# Altium PCB UmTRXv2.PcbDoc (part 5 of 25)
Units mm, origin at the board's own origin, x right, y up, seen from the top; angles counter-clockwise.
Board outline 159.5 x 99.5 mm, 6 copper layers (Top Layer, GND, MidLayer1, Mid-Layer 2, InternalPlane2, Bottom Layer), stack 1.526 mm thick; 708 components, 578 nets, 2802 pads, 1408 vias.
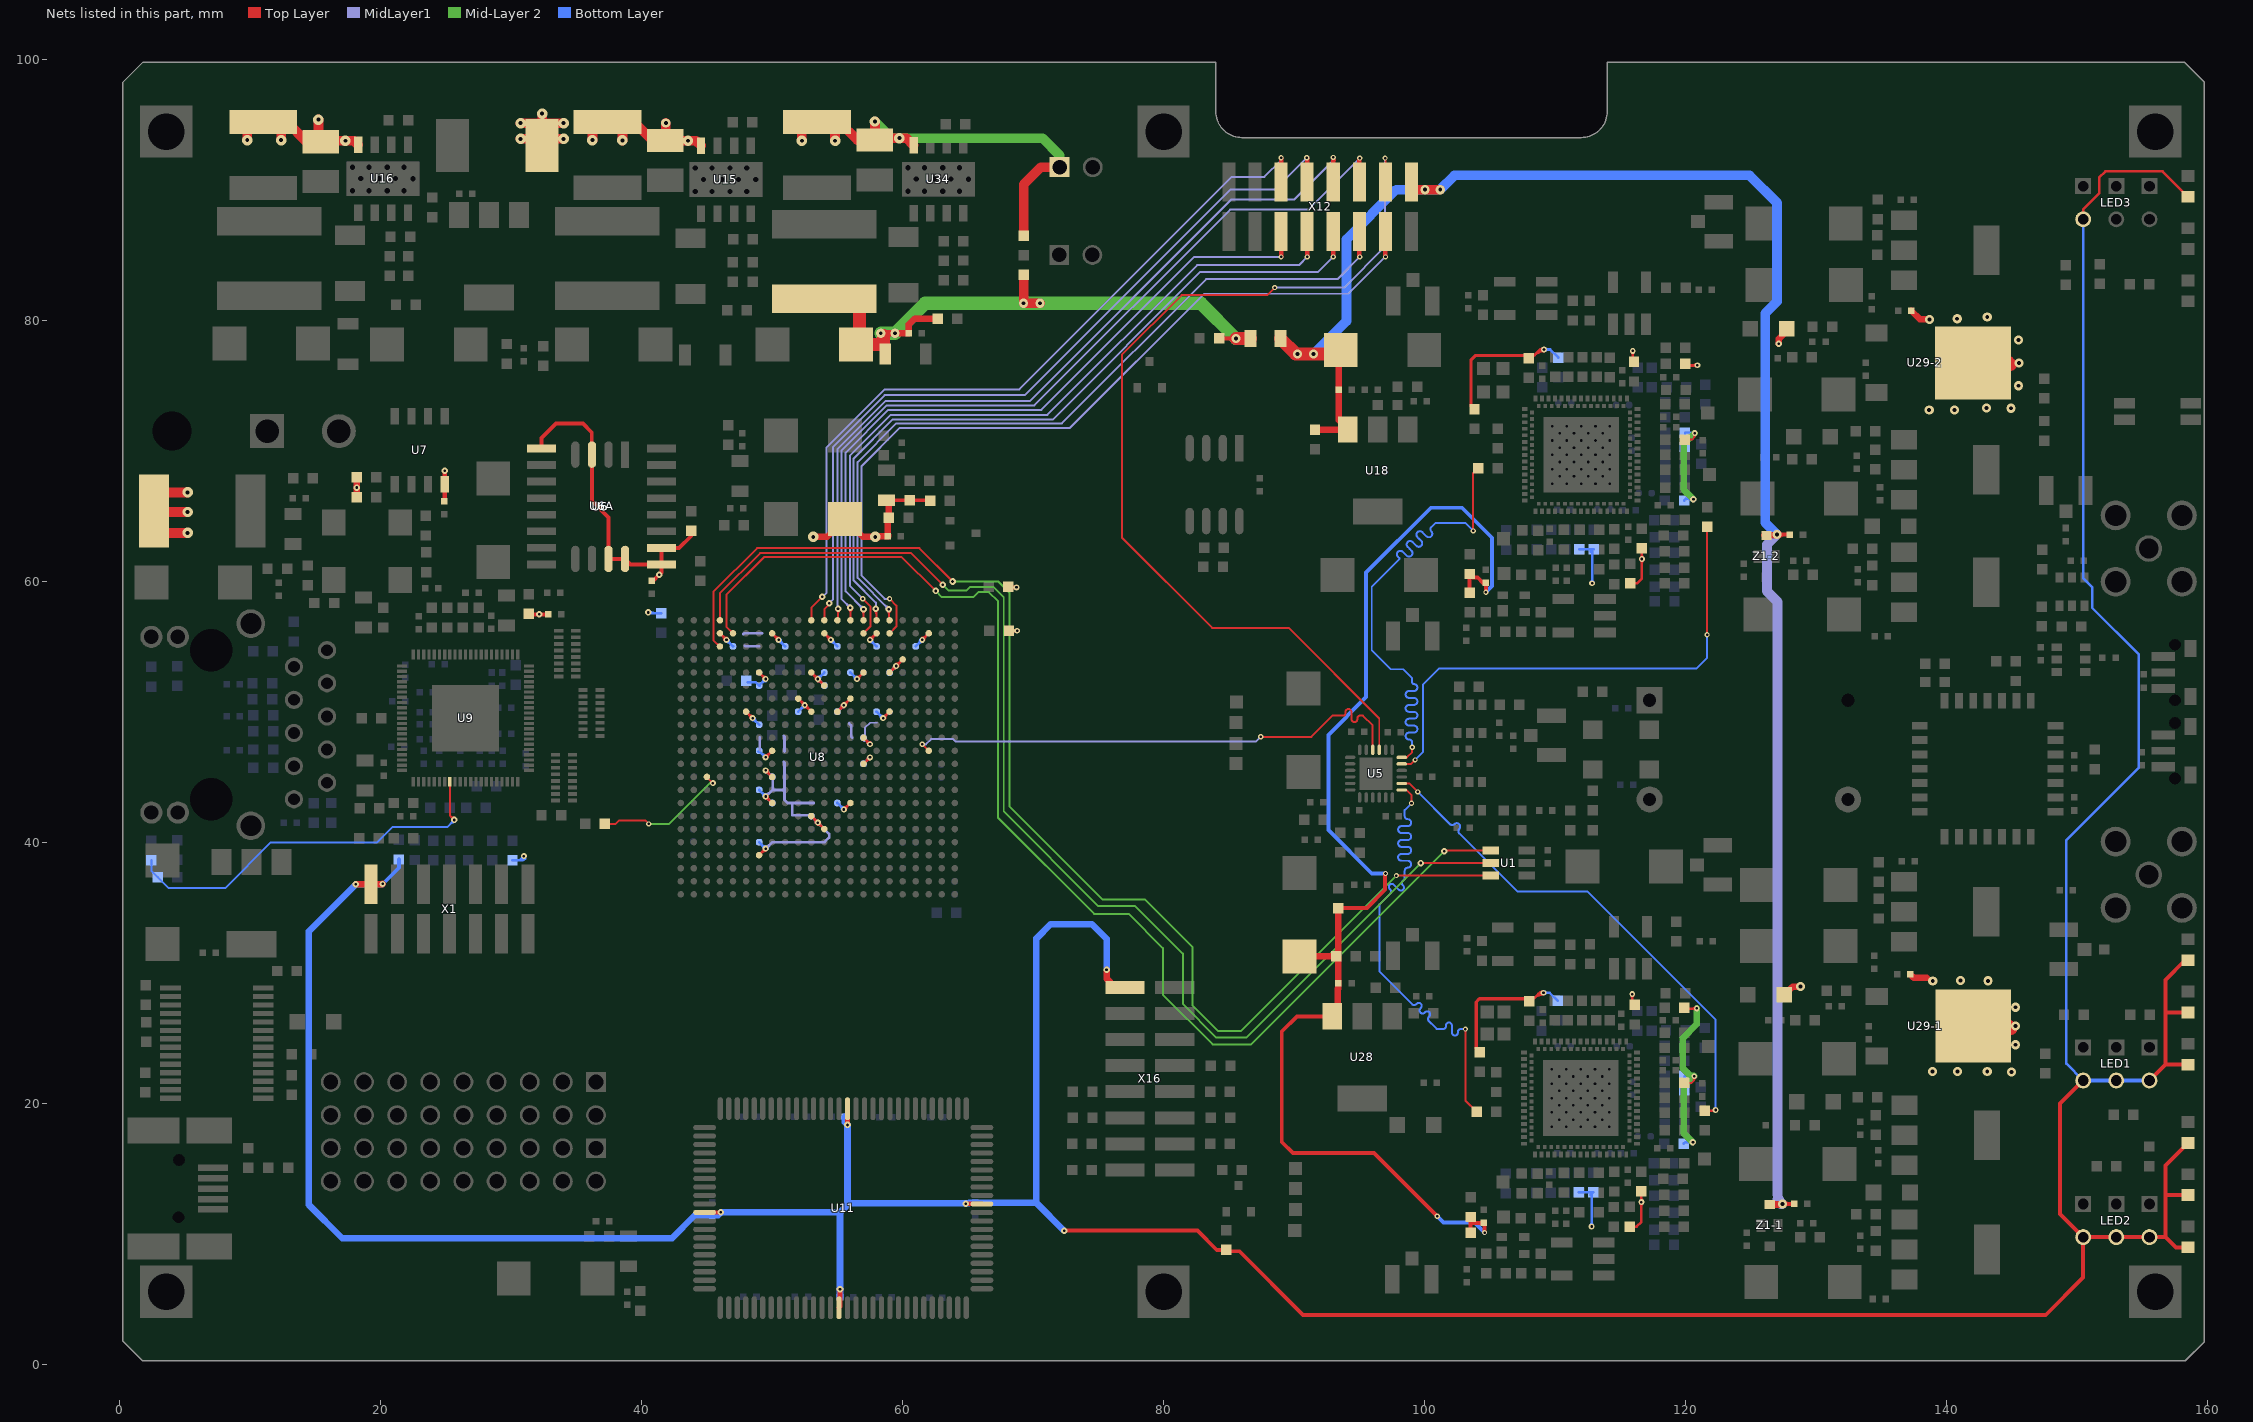
[diagram p9: the nets of this part, all layers, seen from the top]

## Via types
v1: diameter 0.5, hole 0.2, Top Layer to Bottom Layer, tented both sides, 441 vias
v2: diameter 0.45, hole 0.2, Top Layer to Bottom Layer, tented both sides, 429 vias
v3: diameter 0.7, hole 0.3, Top Layer to Bottom Layer, tented both sides, 258 vias
v4: diameter 0.4, hole 0.2, Top Layer to Bottom Layer, tented both sides, 197 vias
v5: diameter 0.8, hole 0.3, Top Layer to Bottom Layer, tented both sides, 61 vias
v6: diameter 0.6, hole 0.25, Top Layer to Bottom Layer, tented both sides, 16 vias
v7: diameter 0.6, hole 0.3, Top Layer to Bottom Layer, tented both sides, 4 vias
v8: diameter 1, hole 0.5, Top Layer to Bottom Layer, tented both sides, 2 vias

## Nets (pads, with @x,y where several pads share a name; then routed paths per layer and width w, separated by ;. In a path a pad name is that pad's centre, name@x,y a point inside that pad or via, vN(x,y) a via of type N, cw(c..) or ccw(c..) an arc to the next point about the centre after c; other vN are vias at no path point) (continued)
+3,3VFPGA: C25.1 C27.2 C42.1 C159.1 C161.1 C165.1 C174.2 C194.2 C196.2 C197.2 C198.2 C199.2 C200.2 C201.2 C202.2 C203.2 C223.2 C224.2 C225.2 C227.2 C246.1 C247.1 C248.1 C249.1 C250.1 C251.1 C252.1 C254.1 C255.1 C256.1 C257.1 C258.1 C259.1 L5.2 L40.2 LED1.4 LED1.5 LED1.6 LED1A'.2 LED1B'.2 LED1C'.2 LED2.4 LED2.5 LED2.6 LED2A'.2 LED2B'.2 LED2C'.2 LED3.4 LED3C'.2 R18.1 R19.1 R21.1 R22.1 R26.1 R27.1 R28.1 R29.1 R30.1 R31.2 R94.1 R152.1 U6.3 U6.7 U6.8 U6A.1 U6A.2 U6A.9 U7.8 U8.AA3 U8.AA7 U8.AA11 U8.AA15 U8.AA19 U8.D16 U8.F11 U8.G12 U8.H9 U8.H15 U8.K15 U8.L8 U8.M15 U8.N8 U8.R6 U8.R10 U8.R12 U8.R17 U8.T9 U8.T13 U8.U11 U8.V6 U8.V8 U8.V12 U8.V16 U8.W5 U11.15 U11.41 U11.65 U11.91 X1.2 X16.16 | length 560
  Top Layer w0.2: U8.AA19@46,56 v2(46.5,55.5) ; v2@46.35,55.5 ccw(c45.988,55.5) 46.244,55.756 ccw(c46.5,56.012) v2@46.5,55.65 ; U8.R17@48,50 v2(48.5,49.5) ; v2@48.35,49.5 ccw(c47.988,49.5) 48.244,49.756 ccw(c48.5,50.012) v2@48.5,49.65 ; U8.D16@49,39 v2(49.5,39.5) ; U8.V16@49,53 v2(49.5,52.5) ; v2@49.35,39.5 cw(c48.988,39.5) 49.244,39.244 cw(c49.5,38.988) v2@49.5,39.35 ; v2@49.35,52.5 ccw(c48.988,52.5) 49.244,52.756 ccw(c49.5,53.012) v2@49.5,52.65 ; v2@49.5,43.35 cw(c49.5,42.988) 49.756,43.244 cw(c50.012,43.5) v2@49.65,43.5 ; v2(49.5,43.5) U8.H15@50,43 ; v2@49.5,45.35 cw(c49.5,44.988) 49.756,45.244 cw(c50.012,45.5) v2@49.65,45.5 ; v2(49.5,45.5) U8.K15@50,45 ; v2(49.5,46.5) U8.M15@50,47 ; v2@49.5,46.65 ccw(c49.5,47.012) 49.756,46.756 ccw(c50.012,46.5) v2@49.65,46.5 ; U8.AA15@50,56 v2(50.5,55.5) ; v2@50.35,55.5 ccw(c49.988,55.5) 50.244,55.756 ccw(c50.5,56.012) v2@50.5,55.65 ; U8.T13@52,51 v2(52.5,50.5) ; v2@52.35,50.5 ccw(c51.988,50.5) 52.244,50.756 ccw(c52.5,51.012) v2@52.5,50.65 ; v2@52.5,50.35 cw(c52.5,49.988) 52.756,50.244 cw(c53.012,50.5) v2@52.65,50.5 ; v2(52.5,50.5) U8.R12@53,50 ; U8.G12@53,42 v2(53.5,41.5) U8.F11@54,41 ; U8.V12@53,53 v2(53.5,52.5) U8.U11@54,52 ; v2@53.35,41.5 ccw(c52.988,41.5) 53.244,41.756 ccw(c53.5,42.012) v2@53.5,41.65 ; v2@53.35,52.5 ccw(c52.988,52.5) 53.244,52.756 ccw(c53.5,53.012) v2@53.5,52.65 ; v2@53.5,41.35 cw(c53.5,40.988) 53.756,41.244 cw(c54.012,41.5) v2@53.65,41.5 ; v2@53.5,52.35 cw(c53.5,51.988) 53.756,52.244 cw(c54.012,52.5) v2@53.65,52.5 ; U8.AA11@54,56 v2(54.5,55.5) ; v2@54.35,55.5 ccw(c53.988,55.5) 54.244,55.756 ccw(c54.5,56.012) v2@54.5,55.65 ; U8.R10@55,50 v2(55.5,50.5) U8.T9@56,51 ; v2@55.35,50.5 cw(c54.988,50.5) 55.244,50.244 cw(c55.5,49.988) v2@55.5,50.35 ; v2(55.5,42.5) U8.H9@56,43 ; v2@55.5,42.65 ccw(c55.5,43.012) 55.756,42.756 ccw(c56.012,42.5) v2@55.65,42.5 ; v2@55.5,50.65 ccw(c55.5,51.012) 55.756,50.756 ccw(c56.012,50.5) v2@55.65,50.5 ; v2(56.5,52.5) U8.V8@57,53 ; v2@56.5,52.65 ccw(c56.5,53.012) 56.756,52.756 ccw(c57.012,52.5) v2@56.65,52.5 ; U8.L8@57,46 v2(57.5,46.5) ; U8.N8@57,48 v2(57.5,47.5) ; v2@57.35,46.5 cw(c56.988,46.5) 57.244,46.244 cw(c57.5,45.988) v2@57.5,46.35 ; v2@57.35,47.5 ccw(c56.988,47.5) 57.244,47.756 ccw(c57.5,48.012) v2@57.5,47.65 ; v2(57.5,55.5) U8.AA7@58,56 ; v2@57.5,55.65 ccw(c57.5,56.012) 57.756,55.756 ccw(c58.012,55.5) v2@57.65,55.5 ; v2(58.5,49.5) U8.R6@59,50 ; v2@58.5,49.65 ccw(c58.5,50.012) 58.756,49.756 ccw(c59.012,49.5) v2@58.65,49.5 ; U8.V6@59,53 v2(59.5,53.5) U8.W5@60,54 ; v2@59.35,53.5 cw(c58.988,53.5) 59.244,53.244 cw(c59.5,52.988) v2@59.5,53.35 ; v2@59.5,53.65 ccw(c59.5,54.012) 59.756,53.756 ccw(c60.012,53.5) v2@59.65,53.5 ; v2(61.5,55.5) U8.AA3@62,56 ; v2@61.5,55.65 ccw(c61.5,56.012) 61.756,55.756 ccw(c62.012,55.5) v2@61.65,55.5 ; LED3.4@150.425,87.685 LED3.4@150.47,87.73 150.47,88.495 151.7,89.725 151.7,90.925 152.175,91.4 156.55,91.4 LED3C'.2@158.5,89.45 ; 46.287,55.713 cw(c46.073,55.5) 46.375,55.5 ccw(c46.073,55.5) 46.287,55.713 ; 46.287,55.713 ccw(c46.5,55.927) 46.5,55.625 cw(c46.5,55.927) 46.287,55.713 ; 48.287,49.713 cw(c48.073,49.5) 48.375,49.5 ccw(c48.073,49.5) 48.287,49.713 ; 48.287,49.713 ccw(c48.5,49.927) 48.5,49.625 cw(c48.5,49.927) 48.287,49.713 ; 49.287,39.287 cw(c49.5,39.073) 49.5,39.375 ccw(c49.5,39.073) 49.287,39.287 ; 49.287,39.287 ccw(c49.073,39.5) 49.375,39.5 cw(c49.073,39.5) 49.287,39.287 ; 49.287,52.713 cw(c49.073,52.5) 49.375,52.5 ccw(c49.073,52.5) 49.287,52.713 ; 49.287,52.713 ccw(c49.5,52.927) 49.5,52.625 cw(c49.5,52.927) 49.287,52.713 ; 49.713,43.287 cw(c49.927,43.5) 49.625,43.5 ccw(c49.927,43.5) 49.713,43.287 ; 49.713,43.287 ccw(c49.5,43.073) 49.5,43.375 cw(c49.5,43.073) 49.713,43.287 ; 49.713,45.287 cw(c49.927,45.5) 49.625,45.5 ccw(c49.927,45.5) 49.713,45.287 ; 49.713,45.287 ccw(c49.5,45.073) 49.5,45.375 cw(c49.5,45.073) 49.713,45.287 ; 49.713,46.713 cw(c49.5,46.927) 49.5,46.625 ccw(c49.5,46.927) 49.713,46.713 ; 49.713,46.713 ccw(c49.927,46.5) 49.625,46.5 cw(c49.927,46.5) 49.713,46.713 ; 50.287,55.713 cw(c50.073,55.5) 50.375,55.5 ccw(c50.073,55.5) 50.287,55.713 ; 50.287,55.713 ccw(c50.5,55.927) 50.5,55.625 cw(c50.5,55.927) 50.287,55.713 ; 52.287,50.713 cw(c52.073,50.5) 52.375,50.5 ccw(c52.073,50.5) 52.287,50.713 ; 52.287,50.713 ccw(c52.5,50.927) 52.5,50.625 cw(c52.5,50.927) 52.287,50.713 ; 52.713,50.287 cw(c52.927,50.5) 52.625,50.5 ccw(c52.927,50.5) 52.713,50.287 ; 52.713,50.287 ccw(c52.5,50.073) 52.5,50.375 cw(c52.5,50.073) 52.713,50.287 ; 53.287,41.713 cw(c53.073,41.5) 53.375,41.5 ccw(c53.073,41.5) 53.287,41.713 ; 53.287,41.713 ccw(c53.5,41.927) 53.5,41.625 cw(c53.5,41.927) 53.287,41.713 ; 53.287,52.713 cw(c53.073,52.5) 53.375,52.5 ccw(c53.073,52.5) 53.287,52.713 ; 53.287,52.713 ccw(c53.5,52.927) 53.5,52.625 cw(c53.5,52.927) 53.287,52.713 ; 53.713,41.287 cw(c53.927,41.5) 53.625,41.5 ccw(c53.927,41.5) 53.713,41.287 ; 53.713,41.287 ccw(c53.5,41.073) 53.5,41.375 cw(c53.5,41.073) 53.713,41.287 ; 53.713,52.287 cw(c53.927,52.5) 53.625,52.5 ccw(c53.927,52.5) 53.713,52.287 ; 53.713,52.287 ccw(c53.5,52.073) 53.5,52.375 cw(c53.5,52.073) 53.713,52.287 ; 54.287,55.713 cw(c54.073,55.5) 54.375,55.5 ccw(c54.073,55.5) 54.287,55.713 ; 54.287,55.713 ccw(c54.5,55.927) 54.5,55.625 cw(c54.5,55.927) 54.287,55.713 ; 55.287,50.287 cw(c55.5,50.073) 55.5,50.375 ccw(c55.5,50.073) 55.287,50.287 ; 55.287,50.287 ccw(c55.073,50.5) 55.375,50.5 cw(c55.073,50.5) 55.287,50.287 ; 55.713,42.713 cw(c55.5,42.927) 55.5,42.625 ccw(c55.5,42.927) 55.713,42.713 ; 55.713,42.713 ccw(c55.927,42.5) 55.625,42.5 cw(c55.927,42.5) 55.713,42.713 ; 55.713,50.713 cw(c55.5,50.927) 55.5,50.625 ccw(c55.5,50.927) 55.713,50.713 ; 55.713,50.713 ccw(c55.927,50.5) 55.625,50.5 cw(c55.927,50.5) 55.713,50.713 ; 56.713,52.713 cw(c56.5,52.927) 56.5,52.625 ccw(c56.5,52.927) 56.713,52.713 ; 56.713,52.713 ccw(c56.927,52.5) 56.625,52.5 cw(c56.927,52.5) 56.713,52.713 ; 57.287,46.287 cw(c57.5,46.073) 57.5,46.375 ccw(c57.5,46.073) 57.287,46.287 ; 57.287,46.287 ccw(c57.073,46.5) 57.375,46.5 cw(c57.073,46.5) 57.287,46.287 ; 57.287,47.713 cw(c57.073,47.5) 57.375,47.5 ccw(c57.073,47.5) 57.287,47.713 ; 57.287,47.713 ccw(c57.5,47.927) 57.5,47.625 cw(c57.5,47.927) 57.287,47.713 ; 57.713,55.713 cw(c57.5,55.927) 57.5,55.625 ccw(c57.5,55.927) 57.713,55.713 ; 57.713,55.713 ccw(c57.927,55.5) 57.625,55.5 cw(c57.927,55.5) 57.713,55.713 ; 58.713,49.713 cw(c58.5,49.927) 58.5,49.625 ccw(c58.5,49.927) 58.713,49.713 ; 58.713,49.713 ccw(c58.927,49.5) 58.625,49.5 cw(c58.927,49.5) 58.713,49.713 ; 59.287,53.287 cw(c59.5,53.073) 59.5,53.375 ccw(c59.5,53.073) 59.287,53.287 ; 59.287,53.287 ccw(c59.073,53.5) 59.375,53.5 cw(c59.073,53.5) 59.287,53.287 ; 59.713,53.713 cw(c59.5,53.927) 59.5,53.625 ccw(c59.5,53.927) 59.713,53.713 ; 59.713,53.713 ccw(c59.927,53.5) 59.625,53.5 cw(c59.927,53.5) 59.713,53.713 ; 61.713,55.713 cw(c61.5,55.927) 61.5,55.625 ccw(c61.5,55.927) 61.713,55.713 ; 61.713,55.713 ccw(c61.927,55.5) 61.625,55.5 cw(c61.927,55.5) 61.713,55.713
  Top Layer w0.3: L5.2@31.35,57.5 31.4,57.45 v1(32.15,57.45) C42.1@32.85,57.45 ; U6A.9@32.325,70.17 32.325,70.975 33.425,72.075 35.5,72.075 36.175,71.4 U6.3@36.175,69.7 ; U6.3@36.19,69.7 36.19,66.19 36.175,66.175 37.46,64.89 U6.7@37.46,61.7 U6.8@38.73,61.7 39.15,61.28 U6A.1@41.525,61.28 ; C25.1@40.9,60.05 v1(41.35,60.5) 41.525,60.675 U6A.1@41.525,61.28 ; R152.1@43.8,63.85 43.8,63.475 42.875,62.55 U6A.2@41.525,62.55 U6A.1@41.525,61.28 ; U11.41@44.825,11.625 v1(46.075,11.625) ; L40.2@58.75,66.2 R29.1@60.55,66.2 62.05,66.2 R30.1@62.1,66.15 ; R94.1@68.1,59.575 68.15,59.525 v2(68.725,59.525) ; R22.1@68.15,56.2 v2(68.775,56.2) ; v1(72.375,10.225) 82.6,10.225 84.075,8.75 R28.1@84.8,8.75 ; R28.1@84.75,8.65 85.8,8.65 90.675,3.775 147.6,3.775 150.45,6.625 150.45,9.75 148.7,11.5 148.7,19.96 LED1.4@150.47,21.73 ; LED2.4@150.47,9.73 LED2.5@153.01,9.73 LED2.6@155.55,9.73 156.775,9.73 ; LED1.6@155.55,21.73 156.77,22.95 156.775,22.95 ; LED1B'.2@158.5,12.95 156.8,12.95 156.775,12.975 ; LED1C'.2@158.5,16.7 LED1C'.2@158.55,16.65 ; LED1C'.2@158.5,16.95 156.775,15.225 156.775,12.975 ; LED2A'.2@158.5,22.95 156.775,22.95 ; LED2B'.2@158.5,26.95 156.775,26.95 ; LED2C'.2@158.5,30.95 158.275,30.95 156.775,29.45 156.775,26.95 ; LED1A'.2@158.8,8.925 157.58,8.925 156.775,9.73 ; 156.775,9.73 156.775,12.975 ; 156.775,22.95 156.775,26.95
  Top Layer w0.35: C27.2@24.875,66.125 24.897,66.147 U7.8@24.897,67.428 v1(24.897,68.472) ; U11.65@55.125,4.325 55.2,4.4 v1(55.2,5.75) ; v1(55.775,18.325) U11.15@55.775,19.575 ; v1(64.825,12.275) U11.91@66.075,12.275
  Top Layer w0.5: v1(18.1,36.775) X1.2@19.275,36.775 20.125,36.775 v2(20.15,36.8) ; R27.1@18.15,66.425 18.15,67.15 v1(18.175,67.175) R26.1@18.175,67.95 ; v5(53.15,63.4) 54.225,63.4 C165.1@55.575,64.75 ; C165.1@55.675,64.675 56.95,63.4 v5(57.9,63.4) ; v5@57.9,63.445 C159.1@58.85,63.45 ; L40.2@58.75,66.2 58.95,66 C161.1@58.95,64.85 ; C161.1@58.842,64.95 58.843,64.849 C159.1@58.85,63.45 ; C159.1@58.9,63.45 C159.1@58.85,63.45 ; C159.1@58.9,63.5 C159.1@58.85,63.45 ; v1(75.625,30.225) 75.625,29.55 76.3,28.875 X16.16@77.05,28.875 ; v5@58.007,63.295 cw(c58.372,62.933) 58.37,63.447 ; v5@58.007,63.295 cw(c58.372,62.933) 58.37,63.447 ; v5@58.007,63.295 cw(c58.372,62.933) 58.37,63.447
  MidLayer1 w0.15: 57.05,47.75 57.1,47.8 57.1,48.75 57.5,49.15 58.05,49.15
  MidLayer1 w0.2: 47.8,55.95 47.85,56 49.25,56 ; 47.9,55.05 47.95,55 49,55 ; 49.05,47.05 49.05,48.05 ; v2(49.5,39.5) 49.524,39.5 50.024,40 54.025,40 54.375,40.35 54.375,40.625 v2(53.5,41.5) ; v2@49.5,39.65 ccw(c49.5,40.012) 49.756,39.756 ccw(c50.012,39.5) v2@49.65,39.5 ; v2(49.5,43.5) 50.05,44.05 ; v2@49.5,43.65 ccw(c49.5,44.012) 49.756,43.756 ccw(c50.012,43.5) v2@49.65,43.5 ; v2@49.5,45.35 cw(c49.5,44.988) 49.756,45.244 cw(c50.012,45.5) v2@49.65,45.5 ; v2(49.5,45.5) 50.05,44.95 50.05,44.05 ; 50.9,46.15 50.95,46.1 50.95,44 ; 50.9,48.15 50.95,48.1 50.95,46.95 ; 53.15,41.95 53.039,42.061 51.539,42.061 51.539,43 ; 53.2,43 51.539,43 ; 55.9,49.1 56.05,48.95 56.05,48.1 56.15,48 ; 49.713,43.713 cw(c49.5,43.927) 49.5,43.625 ccw(c49.5,43.927) 49.713,43.713 ; 49.713,43.713 ccw(c49.927,43.5) 49.625,43.5 cw(c49.927,43.5) 49.713,43.713 ; 49.713,45.287 cw(c49.927,45.5) 49.625,45.5 ccw(c49.927,45.5) 49.713,45.287 ; 49.713,45.287 ccw(c49.5,45.073) 49.5,45.375 cw(c49.5,45.073) 49.713,45.287 ; 50.05,44.05 50.1,44 50.95,44 ; 50.95,44 50.95,43.241 51.191,43 51.539,43 ; 53.713,41.287 cw(c53.927,41.5) 53.625,41.5 ccw(c53.927,41.5) 53.713,41.287 ; 53.713,41.287 ccw(c53.5,41.073) 53.5,41.375 cw(c53.5,41.073) 53.713,41.287 ; v2@49.5,39.625 ccw(c49.5,39.985) 49.755,39.731 cw(c49.5,39.985) v2@49.5,39.625 ; v2@49.625,39.5 cw(c49.868,39.5) 49.696,39.672 ccw(c49.868,39.5) v2@49.625,39.5
  Bottom Layer w0.2: R19.1@30.1,38.6 30.65,38.6 v2(30.975,38.925) ; v1(40.5,57.6) 40.6,57.6 40.65,57.55 R31.2@41.5,57.55 ; v2@46.5,55.35 cw(c46.5,54.988) 46.756,55.244 cw(c47.012,55.5) v2@46.65,55.5 ; v2(46.5,55.5) C251.1@47,55 ; R21.1@48.15,52.25 48.75,52.25 C199.2@49,52 ; v2@48.5,49.35 cw(c48.5,48.988) 48.756,49.244 cw(c49.012,49.5) v2@48.65,49.5 ; v2(48.5,49.5) C174.2@49,49 ; C249.1@48.95,46.95 C249.1@49,47 v2(49.5,46.5) ; C194.2@49,40 v2(49.5,39.5) ; C250.1@49,44 v2(49.5,43.5) C248.1@50,43 ; v2@49.35,39.5 ccw(c48.988,39.5) 49.244,39.756 ccw(c49.5,40.012) v2@49.5,39.65 ; v2@49.35,43.5 ccw(c48.988,43.5) 49.244,43.756 ccw(c49.5,44.012) v2@49.5,43.65 ; v2@49.35,46.5 ccw(c48.988,46.5) 49.244,46.756 ccw(c49.5,47.012) v2@49.5,46.65 ; v2@49.35,52.5 cw(c48.988,52.5) 49.244,52.244 cw(c49.5,51.988) v2@49.5,52.35 ; v2@49.5,43.35 cw(c49.5,42.988) 49.756,43.244 cw(c50.012,43.5) v2@49.65,43.5 ; v2@49.5,45.35 cw(c49.5,44.988) 49.756,45.244 cw(c50.012,45.5) v2@49.65,45.5 ; v2(49.5,45.5) C197.2@50,45 ; v2(49.5,52.5) C199.2@49,52 ; v2@50.5,55.35 cw(c50.5,54.988) 50.756,55.244 cw(c51.012,55.5) v2@50.65,55.5 ; v2(50.5,55.5) C201.2@51,55 ; C257.1@52,50 v2(52.5,50.5) ; v2@52.35,50.5 cw(c51.988,50.5) 52.244,50.244 cw(c52.5,49.988) v2@52.5,50.35 ; C246.1@53,42 v2(53.5,41.5) ; v2@53.35,41.5 ccw(c52.988,41.5) 53.244,41.756 ccw(c53.5,42.012) v2@53.5,41.65 ; v2@53.5,52.35 cw(c53.5,51.988) 53.756,52.244 cw(c54.012,52.5) 53.65,52.5 cw(c54.012,52.5) 53.756,52.756 cw(c53.5,53.012) v2@53.5,52.65 ; C203.2@54,52 v2(53.5,52.5) C247.1@54,53 ; v2@54.5,55.35 cw(c54.5,54.988) 54.756,55.244 cw(c55.012,55.5) v2@54.65,55.5 ; v2(54.5,55.5) C252.1@55,55 ; C196.2@55,43 v2(55.5,42.5) ; C258.1@55,50 v2(55.5,50.5) ; v2@55.35,42.5 ccw(c54.988,42.5) 55.244,42.756 ccw(c55.5,43.012) v2@55.5,42.65 ; v2@55.35,50.5 cw(c54.988,50.5) 55.244,50.244 cw(c55.5,49.988) v2@55.5,50.35 ; C256.1@56,53 v2(56.5,52.5) ; v2@56.35,52.5 ccw(c55.988,52.5) 56.244,52.756 ccw(c56.5,53.012) v2@56.5,52.65 ; C200.2@57,46 v2(57.5,46.5) ; C255.1@57,48 v2(57.5,47.5) ; v2@57.35,46.5 cw(c56.988,46.5) 57.244,46.244 cw(c57.5,45.988) v2@57.5,46.35 ; v2@57.35,47.5 ccw(c56.988,47.5) 57.244,47.756 ccw(c57.5,48.012) v2@57.5,47.65 ; v2@57.5,55.35 cw(c57.5,54.988) 57.756,55.244 cw(c58.012,55.5) v2@57.65,55.5 ; v2(57.5,55.5) C202.2@58,55 ; C259.1@58,50 v2(58.5,49.5) ; v2@58.35,49.5 ccw(c57.988,49.5) 58.244,49.756 ccw(c58.5,50.012) v2@58.5,49.65 ; C198.2@59,53 v2(59.5,53.5) ; v2@59.35,53.5 cw(c58.988,53.5) 59.244,53.244 cw(c59.5,52.988) v2@59.5,53.35 ; C254.1@61,55 v2(61.5,55.5) ; v2@61.35,55.5 cw(c60.988,55.5) 61.244,55.244 cw(c61.5,54.988) v2@61.5,55.35 ; LED1.4@150.47,21.73 149.175,23.025 149.175,40.15 154.725,45.7 154.725,54.4 151.162,57.963 151.162,59.538 150.47,60.23 LED3.4@150.47,87.73 ; 30.728,38.6 ccw(c30.728,39.072) v2@31.062,38.738 ; 30.728,38.6 ccw(c30.728,39.072) v2@31.062,38.738 ; 30.728,38.6 ccw(c30.728,39.072) v2@31.062,38.738 ; v1@40.606,57.706 ccw(c40.983,58.083) 40.983,57.55 ; v1@40.606,57.706 ccw(c40.983,58.083) 40.983,57.55 ; v1@40.606,57.706 ccw(c40.983,58.083) 40.983,57.55 ; 46.713,55.287 cw(c46.927,55.5) 46.625,55.5 ccw(c46.927,55.5) 46.713,55.287 ; 46.713,55.287 ccw(c46.5,55.073) 46.5,55.375 cw(c46.5,55.073) 46.713,55.287 ; 48.713,49.287 cw(c48.927,49.5) 48.625,49.5 ccw(c48.927,49.5) 48.713,49.287 ; 48.713,49.287 ccw(c48.5,49.073) 48.5,49.375 cw(c48.5,49.073) 48.713,49.287 ; C199.2@49,52 49.05,52 C199.2@49,52 ; 49.287,39.713 cw(c49.073,39.5) 49.375,39.5 ccw(c49.073,39.5) 49.287,39.713 ; 49.287,39.713 ccw(c49.5,39.927) 49.5,39.625 cw(c49.5,39.927) 49.287,39.713 ; 49.287,43.713 cw(c49.073,43.5) 49.375,43.5 ccw(c49.073,43.5) 49.287,43.713 ; 49.287,43.713 ccw(c49.5,43.927) 49.5,43.625 cw(c49.5,43.927) 49.287,43.713 ; 49.287,46.713 cw(c49.073,46.5) 49.375,46.5 ccw(c49.073,46.5) 49.287,46.713 ; 49.287,46.713 ccw(c49.5,46.927) 49.5,46.625 cw(c49.5,46.927) 49.287,46.713 ; 49.287,52.287 cw(c49.5,52.073) 49.5,52.375 ccw(c49.5,52.073) 49.287,52.287 ; 49.287,52.287 ccw(c49.073,52.5) 49.375,52.5 cw(c49.073,52.5) 49.287,52.287 ; 49.713,43.287 cw(c49.927,43.5) 49.625,43.5 ccw(c49.927,43.5) 49.713,43.287 ; 49.713,43.287 ccw(c49.5,43.073) 49.5,43.375 cw(c49.5,43.073) 49.713,43.287 ; 49.713,45.287 cw(c49.927,45.5) 49.625,45.5 ccw(c49.927,45.5) 49.713,45.287 ; 49.713,45.287 ccw(c49.5,45.073) 49.5,45.375 cw(c49.5,45.073) 49.713,45.287 ; 50.713,55.287 cw(c50.927,55.5) 50.625,55.5 ccw(c50.927,55.5) 50.713,55.287 ; 50.713,55.287 ccw(c50.5,55.073) 50.5,55.375 cw(c50.5,55.073) 50.713,55.287 ; 52.287,50.287 cw(c52.5,50.073) 52.5,50.375 ccw(c52.5,50.073) 52.287,50.287 ; 52.287,50.287 ccw(c52.073,50.5) 52.375,50.5 cw(c52.073,50.5) 52.287,50.287 ; 53.287,41.713 cw(c53.073,41.5) 53.375,41.5 ccw(c53.073,41.5) 53.287,41.713 ; 53.287,41.713 ccw(c53.5,41.927) 53.5,41.625 cw(c53.5,41.927) 53.287,41.713 ; v2@53.625,52.5 ccw(c53.927,52.5) 53.713,52.287 ; v2@53.625,52.5 cw(c53.927,52.5) 53.713,52.713 ; v2@53.625,52.5 ccw(c53.927,52.5) 53.713,52.287 ; v2@53.625,52.5 cw(c53.927,52.5) 53.713,52.713 ; 53.713,52.287 ccw(c53.5,52.073) 53.5,52.375 cw(c53.5,52.073) 53.713,52.287 ; 53.713,52.713 cw(c53.5,52.927) 53.5,52.625 ccw(c53.5,52.927) 53.713,52.713 ; 54.713,55.287 cw(c54.927,55.5) 54.625,55.5 ccw(c54.927,55.5) 54.713,55.287 ; 54.713,55.287 ccw(c54.5,55.073) 54.5,55.375 cw(c54.5,55.073) 54.713,55.287 ; 55.287,42.713 cw(c55.073,42.5) 55.375,42.5 ccw(c55.073,42.5) 55.287,42.713 ; 55.287,42.713 ccw(c55.5,42.927) 55.5,42.625 cw(c55.5,42.927) 55.287,42.713 ; 55.287,50.287 cw(c55.5,50.073) 55.5,50.375 ccw(c55.5,50.073) 55.287,50.287 ; 55.287,50.287 ccw(c55.073,50.5) 55.375,50.5 cw(c55.073,50.5) 55.287,50.287 ; 56.287,52.713 cw(c56.073,52.5) 56.375,52.5 ccw(c56.073,52.5) 56.287,52.713 ; 56.287,52.713 ccw(c56.5,52.927) 56.5,52.625 cw(c56.5,52.927) 56.287,52.713 ; 57.287,46.287 cw(c57.5,46.073) 57.5,46.375 ccw(c57.5,46.073) 57.287,46.287 ; 57.287,46.287 ccw(c57.073,46.5) 57.375,46.5 cw(c57.073,46.5) 57.287,46.287 ; 57.287,47.713 cw(c57.073,47.5) 57.375,47.5 ccw(c57.073,47.5) 57.287,47.713 ; 57.287,47.713 ccw(c57.5,47.927) 57.5,47.625 cw(c57.5,47.927) 57.287,47.713 ; 57.713,55.287 cw(c57.927,55.5) 57.625,55.5 ccw(c57.927,55.5) 57.713,55.287 ; 57.713,55.287 ccw(c57.5,55.073) 57.5,55.375 cw(c57.5,55.073) 57.713,55.287 ; 58.287,49.713 cw(c58.073,49.5) 58.375,49.5 ccw(c58.073,49.5) 58.287,49.713 ; 58.287,49.713 ccw(c58.5,49.927) 58.5,49.625 cw(c58.5,49.927) 58.287,49.713 ; 59.287,53.287 cw(c59.5,53.073) 59.5,53.375 ccw(c59.5,53.073) 59.287,53.287 ; 59.287,53.287 ccw(c59.073,53.5) 59.375,53.5 cw(c59.073,53.5) 59.287,53.287 ; 61.287,55.287 cw(c61.5,55.073) 61.5,55.375 ccw(c61.5,55.073) 61.287,55.287 ; 61.287,55.287 ccw(c61.073,55.5) 61.375,55.5 cw(c61.073,55.5) 61.287,55.287
  Bottom Layer w0.3: v2@20.125,36.775 21.388,38.038 R18.1@21.388,38.671 ; LED2.4@150.47,9.73 LED2.5@153.01,9.73 LED2.6@155.55,9.73 ; LED1.4@150.47,21.73 LED1.5@153.01,21.73 LED1.6@155.55,21.73
  Bottom Layer w0.5: v2@20.125,36.775 v1(18.1,36.775) 14.5,33.175 14.5,12.2 17.05,9.65 42.325,9.65 44.075,11.4 C224.2@45.425,11.4 45.85,11.4 v1(46.075,11.625) 55.2,11.625 ; v1(55.2,5.75) C225.2@55.2,5.125 55.2,11.625 ; C223.2@55.575,18.95 55.575,18.525 v1(55.775,18.325) 55.775,12.2 55.2,11.625 ; 55.9,12.325 64.825,12.325 v1(64.825,12.275) 64.875,12.325 65.074,12.325 65.099,12.35 C227.2@65.55,12.35 70.25,12.35 ; v1(72.375,10.225) 70.25,12.35 ; v1(75.625,30.225) 75.625,32.6 74.5,33.725 71.35,33.725 70.25,32.625 70.25,12.35
+3,3VLMS-1: C64-1.1 C69-1.1 L12-1.1 L13-1.1 L17-1.1 L21-1.2 L22-1.1 L23-1.2 L24-1.1 L25-1.2 L26-1.1 L27-1.2 L28-1.1 L29-1.2 R95-1.2 U29-1.2 | length 60.8
  Top Layer w0.15: L26-1.1@119.907,21.588 119.937,21.558 120.461,21.558 120.661,21.758 ; v2@120.761,22.058 120.661,21.958 120.661,21.758 ; v2@120.571,21.938 cw(c120.436,21.758) 120.661,21.758 ; v2@120.571,21.938 cw(c120.436,21.758) 120.661,21.758 ; v2@120.571,21.938 cw(c120.436,21.758) 120.661,21.758 ; 120.661,21.758 cw(c120.886,21.758) v2@120.751,21.938 ; 120.661,21.758 cw(c120.886,21.758) v2@120.751,21.938 ; 120.661,21.758 cw(c120.886,21.758) v2@120.751,21.938
  Top Layer w0.2: L21-1.2@108.161,27.808 108.811,28.458 ; 108.741,28.259 cw(c108.972,28.028) v2@109.073,28.339 ; v2(109.111,28.458) 108.811,28.458 ; L29-1.2@115.607,10.538 116.241,10.538 116.607,10.904 v2@116.607,12.412 ; L25-1.2@115.907,27.488 115.907,28.354 v2(115.911,28.358) ; L22-1.1@116.607,13.238 v2@116.607,12.412 ; v2(116.611,12.408) v2@116.607,12.412 ; L28-1.1@119.907,27.238 120.841,27.238 v2(120.861,27.258) ; L21-1.2@108.386,28.033 cw(c109.111,27.307) v2@109.111,28.333 ; L21-1.2@108.386,28.033 cw(c109.111,27.307) v2@109.111,28.333 ; L21-1.2@108.386,28.033 cw(c109.111,27.307) v2@109.111,28.333 ; 108.569,28.188 ccw(c108.384,28.878) v2@109.003,28.521 ; 108.569,28.188 ccw(c108.384,28.878) v2@109.003,28.521 ; 108.569,28.188 ccw(c108.384,28.878) v2@109.003,28.521 ; 108.727,28.374 cw(c109.111,27.99) v2@109.111,28.533 ; 108.727,28.374 cw(c109.111,27.99) v2@109.111,28.533 ; 108.727,28.374 cw(c109.111,27.99) v2@109.111,28.533 ; 108.811,28.458 cw(c108.811,28.161) v2@109.022,28.37 ; 108.811,28.458 ccw(c108.811,28.756) v2@109.022,28.546 ; 108.811,28.458 ccw(c108.811,28.756) v2@109.022,28.546 ; 108.811,28.458 cw(c108.811,28.161) v2@109.022,28.37 ; 108.811,28.458 ccw(c108.811,28.756) v2@109.022,28.546 ; 108.811,28.458 cw(c108.811,28.161) v2@109.022,28.37 ; v2@115.823,28.27 cw(c115.619,28.066) 115.907,28.066 ; v2@115.823,28.27 cw(c115.619,28.066) 115.907,28.066 ; v2@115.823,28.27 cw(c115.619,28.066) 115.907,28.066 ; 115.907,28.047 cw(c116.223,28.047) v2@115.999,28.27 ; 115.907,28.047 cw(c116.223,28.047) v2@115.999,28.27 ; 115.907,28.047 cw(c116.223,28.047) v2@115.999,28.27 ; v2@116.523,12.32 cw(c116.319,12.116) 116.607,12.116 ; v2@116.523,12.32 cw(c116.319,12.116) 116.607,12.116 ; v2@116.523,12.32 cw(c116.319,12.116) 116.607,12.116 ; v2@116.523,12.497 ccw(c116.319,12.7) 116.607,12.7 ; v2@116.523,12.497 ccw(c116.319,12.7) 116.607,12.7 ; v2@116.523,12.497 ccw(c116.319,12.7) 116.607,12.7 ; 116.607,12.097 cw(c116.923,12.097) v2@116.699,12.32 ; 116.607,12.097 cw(c116.923,12.097) v2@116.699,12.32 ; 116.607,12.097 cw(c116.923,12.097) v2@116.699,12.32 ; 116.607,12.72 ccw(c116.923,12.72) v2@116.699,12.497 ; 116.607,12.72 ccw(c116.923,12.72) v2@116.699,12.497 ; 116.607,12.72 ccw(c116.923,12.72) v2@116.699,12.497 ; 120.511,27.238 ccw(c120.511,27.609) v2@120.773,27.347 ; 120.511,27.238 ccw(c120.511,27.609) v2@120.773,27.347 ; 120.511,27.238 ccw(c120.511,27.609) v2@120.773,27.347 ; 120.608,27.238 cw(c120.608,27.005) v2@120.773,27.17 ; 120.608,27.238 cw(c120.608,27.005) v2@120.773,27.17 ; 120.608,27.238 cw(c120.608,27.005) v2@120.773,27.17